# Altium PCB Layout.PcbDoc
Units mm, origin at the board's own origin, x right, y up, seen from the top; angles counter-clockwise.
Board outline 70.26 x 75.25 mm, 2 copper layers (Top Layer, Bottom Layer); 101 components, 71 nets, 293 pads, 98 vias.
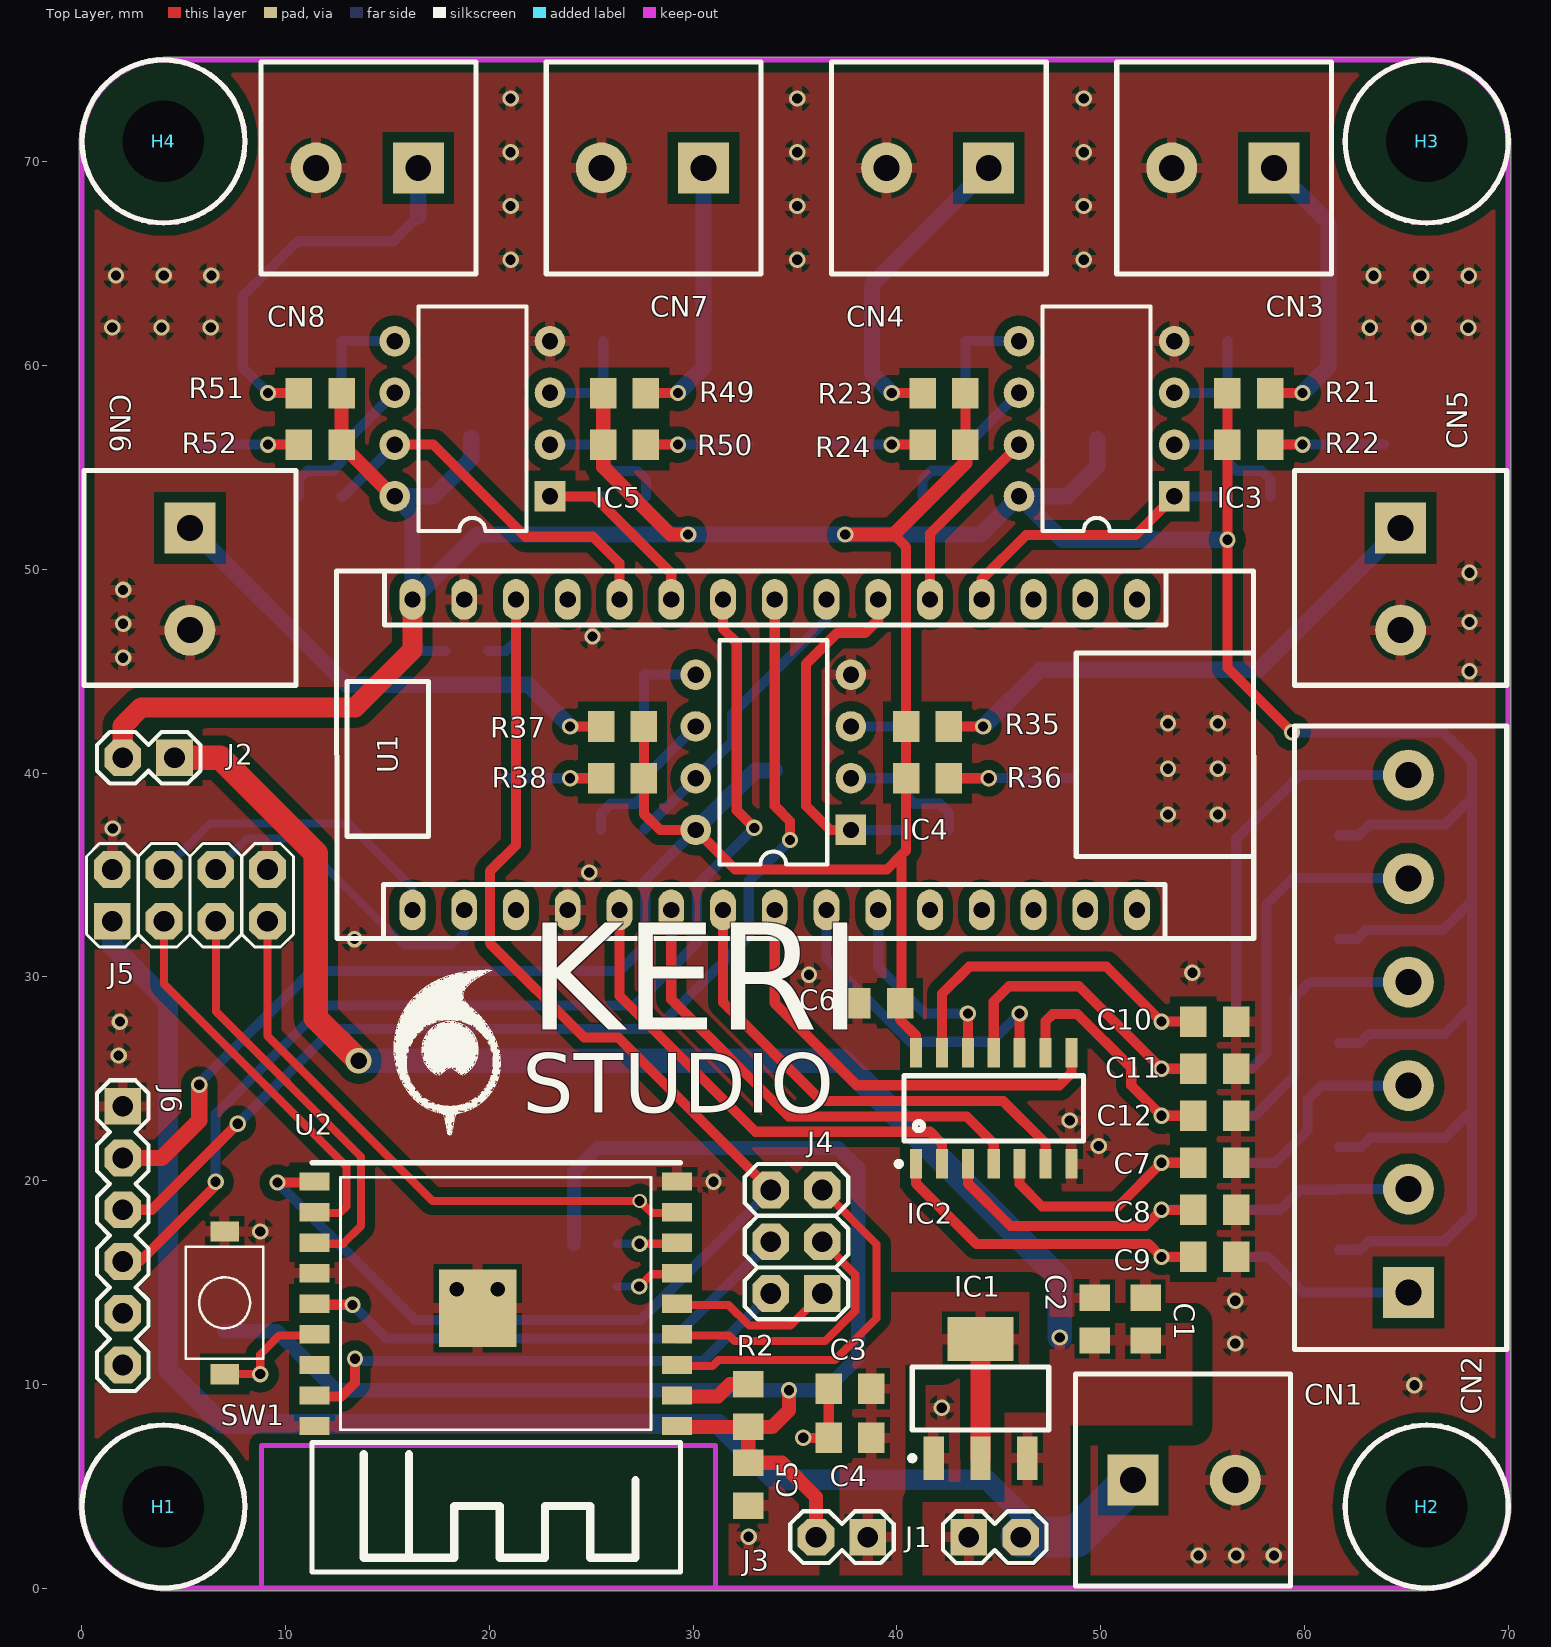
[diagram p0: Top Layer view]
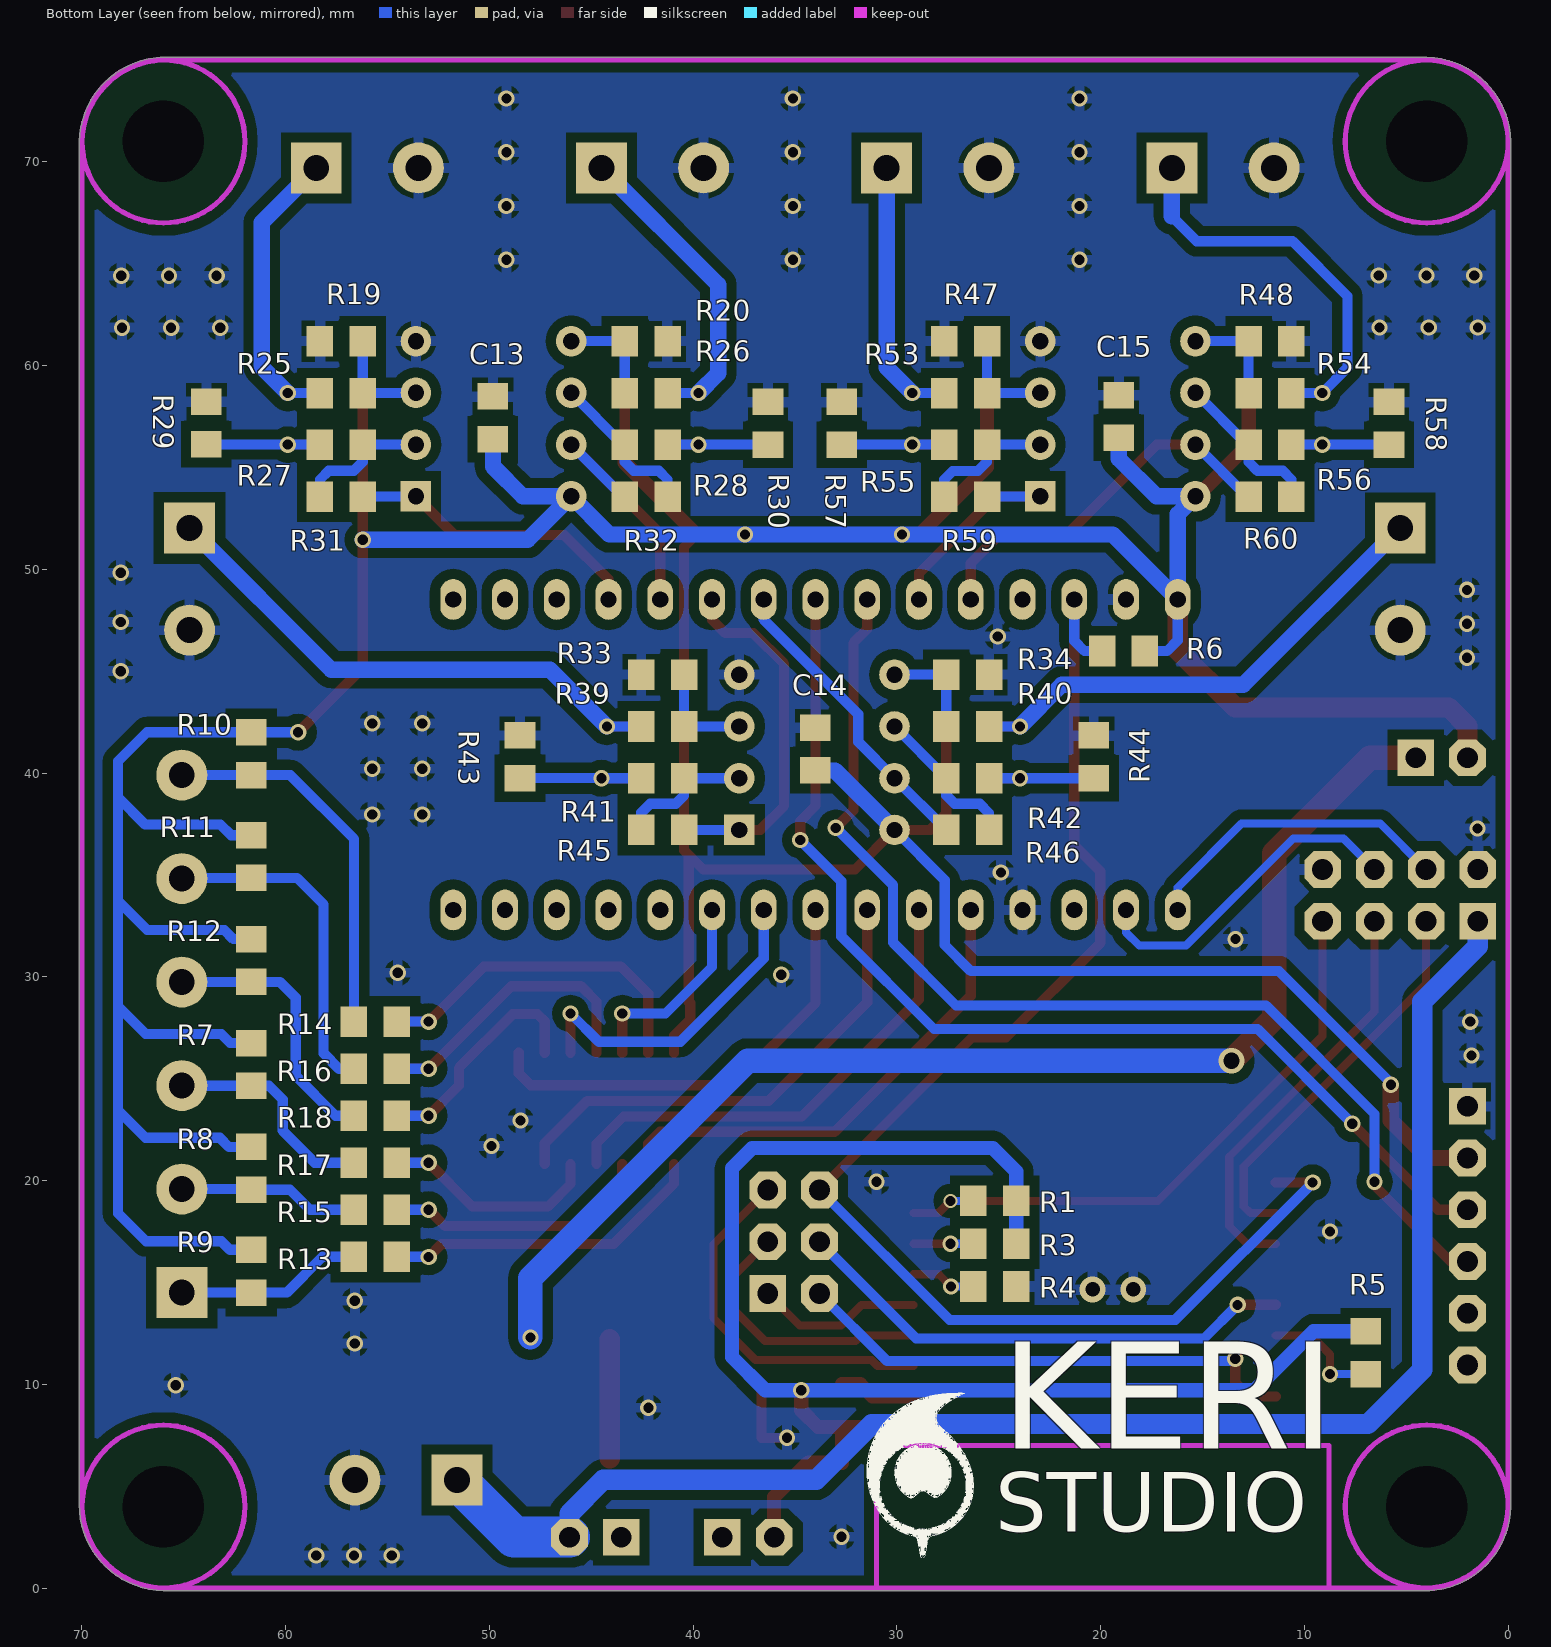
[diagram p1: Bottom Layer view, seen from below]

## Layer stack, top to bottom
Top Solder: solder mask 0.0102, Solder Resist, Dk 3.5
Top Layer: signal copper 0.0356
Dielectric 1: dielectric 0.32, FR-4, Dk 4.8
Bottom Layer: signal copper 0.0356
Bottom Solder: solder mask 0.0102, Solder Resist, Dk 3.5

## Board outline
-0.127,3.997 cw(c0,4) -0.127,4 -0.127,70.799 cw(c4.1,70.9) -0.127,71.001 cw(c4.1,70.9) -0.127,71.005 cw(c4.1,70.9) 3.996,75.127 cw(c4,75) 4,75.127 65.798,75.127 cw(c65.9,70.9) 70.127,71.003 cw(c70,71) 70.127,71 cw(c70,71) 70.127,70.998 70.127,4.202 cw(c65.9,4.1) 70.129,4.1 cw(c65.9,4.1) 66.004,-0.127 cw(c65.9,4.1) 66.003,-0.127 66.004,-0.127 cw(c66,0) 66,-0.127 4.201,-0.127 ccw(c4.1,4.1) 4.203,-0.127 4.201,-0.127 cw(c4.1,4.1)
cut-out: 10.4,0

## Design rules (kind name [scope] priority, off if disabled: settings)
Clearance [All] p1: gap=0.254 ignorepadtopadclearanceinfootprint=FALSE except(0: Arc-Hole Track-Hole SMDPad-Hole THPad-Hole Via-Hole Fill-Hole Poly-Hole Region-Hole Text-Hole; 0.5: Arc-Poly Track-Poly SMDPad-Poly THPad-Poly Via-Poly Fill-Poly Poly-Region Poly-Text; 1: Poly-Poly)
HoleSize [All] p1: absolutevalues=TRUE maxlimit=4 minlimit=0.025 maxpercent=80.000 minpercent=20.000
PolygonConnect [All] p1: connectstyle=Relief reliefconductorwidth=0.508 reliefentries=4 polygonreliefangle="90 Angle" airgapwidth=0.254
RoutingVias [All] p1: holewidth=0.4 width=0.7 viastyle="Through Hole" minholewidth=0.3 minwidth=0.5 maxholewidth=0.8 maxwidth=1.27
SolderMaskExpansion [All] p1: expansion=0.102
Width [All] p1: maxlimit=2 minlimit=0.254 preferedwidth=0.5
29 further rules are at their usual default settings.

## Classes and differential pairs
component class U_4: C13 C14 C15 CN3 CN4 CN5 CN6 CN7 CN8 IC3 IC4 IC5 R19 R20 R21 R22 R23 R24 R25 R26 R27 R28 R29 R30 R31 R32 R33 R34 R35 R36 R37 R38 R39 R40 R41 R42 R43 R44 R45 R46 R47 R48 R49 R50 R51 R52 R53 R54 R55 R56 R57 R58 R59 R60
component class U_3: C6 C7 C8 C9 C10 C11 C12 CN2 IC2 R7 R8 R9 R10 R11 R12 R13 R14 R15 R16 R17 R18
component class U_2: C5 J4 J5 J6 JM3 JM4 R1 R2 R3 R4 R5 R6 SW1 U1 U2
component class U_1: C1 C2 C3 C4 CN1 IC1 J1 J2 J3 JM1 JM2
component class Main_sch: H1 H2 H3 H4

## Components (designator, comment, footprint, x,y, rotation, side; value= is the part's Value field where it differs from the comment)
C1 "100nF" C0805 52.2,13.2 r90 top
C2 "1uF" C0805 49.7,13.2 r90 top
C3 "100nF" C0805 37.7,9.781 r180 top
C4 "1uF" C0805 37.7,7.372 r180 top
C5 "100nF" C0805 32.7,5.1 r90 top
C6 "100nF" C0805 39.1,28.7 r180 top
C7 "100nF" C0805 55.6,20.87 r0 top
C8 "100nF" C0805 55.6,18.56 r0 top
C9 "100nF" C0805 55.6,16.25 r0 top
C10 "100nF" C0805 55.6,27.8 r0 top
C11 "100nF" C0805 55.603,25.49 r0 top
C12 "100nF" C0805 55.6,23.18 r0 top
C13 "100nF" C0805 49.83,57.44 r90 bottom
C14 "100nF" C0805 34,41.18 r90 bottom
C15 "100nF" C0805 19.11,57.5 r90 bottom
CN1 "PWR IN" Terminal_5.08mm_1X02 54.1,5.3 r0 top
CN2 "1-796911-6" Terminal_5.08mm_1X06 65.1,27.2 r90 top
CN3 "796682-2" Terminal_5.08mm_1X02 55.993,69.7 r180 top
CN4 "796682-2" Terminal_5.08mm_1X02 41.995,69.7 r180 top
CN5 "796682-2" Terminal_5.08mm_1X02 64.719,49.52 r270 top
CN6 "796682-2" Terminal_5.08mm_1X02 5.3,49.52 r270 top
CN7 "796682-2" Terminal_5.08mm_1X02 27.998,69.7 r180 top
CN8 "796682-2" Terminal_5.08mm_1X02 14,69.7 r180 top
H1 "Hole" Hole_4mm 4,4 r0 top
H2 "Hole" Hole_4mm 66,4 r0 top
H3 "Hole" Hole_4mm 66,71 r0 top
H4 "Hole" Hole_4mm 4,71 r0 top
IC1 "LM1117-3V3" SOT223 44.1,9.3 r0 top
IC2 "74HC14D" SOIC-14 44.75,23.545 r90 top
IC3 "LM358" DIP-08 49.8,57.39 r180 top
IC4 "LM358" DIP-08 33.93,41.02 r180 top
IC5 "LM358" DIP-08 19.16,57.39 r180 top
J1 "NANO_VCC" Header_2.54mm_1X02 44.8,2.5 r0 top
J2 "NANO_VCC" Header_2.54mm_1X02 3.27,40.75 r180 top
J3 "ESP_VCC" Header_2.54mm_1X02 37.3,2.5 r180 top
J4 "2X03" Header_2.54mm_2X03 36.34,14.46 r90 top
J5 "2X04" Header_2.54mm_2X04 5.3,34 r0 top
J6 "1X06" Header_2.54mm_1X06 2,17.3 r270 top
R1 "10K" R0805 25.2,19 r0 bottom
R2 "10K" R0805 32.7,8.958 r270 top
R3 "10K" R0805 25.2,16.9 r180 bottom
R4 "10K" R0805 25.2,14.8 r180 bottom
R5 "10K" R0805 7,11.55 r90 bottom
R6 "10K" R0805 18.88,45.99 r0 bottom
R7 "10K" R0805 61.7,25.7 r90 bottom
R8 "10K" R0805 61.7,20.6 r90 bottom
R9 "10K" R0805 61.7,15.55 r90 bottom
R10 "10K" R0805 61.7,40.95 r90 bottom
R11 "10K" R0805 61.7,35.9 r90 bottom
R12 "10K" R0805 61.7,30.8 r90 bottom
R13 "10K" R0805 55.6,16.259 r180 bottom
R14 "10K" R0805 55.6,27.8 r0 bottom
R15 "10K" R0805 55.6,18.567 r180 bottom
R16 "10K" R0805 55.6,25.492 r0 bottom
R17 "10K" R0805 55.6,20.875 r180 bottom
R18 "10K" R0805 55.6,23.183 r0 bottom
R19 "100K" R0805 57.27,61.2 r0 bottom
R20 "100K" R0805 42.31,61.2 r180 bottom
R21 "1K" R0805 57.27,58.65 r180 top
R22 "1K" R0805 57.27,56.12 r180 top
R23 "1K" R0805 42.31,58.65 r0 top
R24 "1K" R0805 42.31,56.12 r0 top
R25 "10K" R0805 57.27,58.65 r180 bottom
R26 "10K" R0805 42.31,58.65 r0 bottom
R27 "10K" R0805 57.27,56.12 r180 bottom
R28 "10K" R0805 42.31,56.12 r0 bottom
R29 "100R" R0805 63.89,57.18 r270 bottom
R30 "100R" R0805 36.33,57.17 r270 bottom
R31 "100K" R0805 57.27,53.57 r0 bottom
R32 "100K" R0805 42.31,53.57 r180 bottom
R33 "100K" R0805 41.5,44.83 r0 bottom
R34 "100K" R0805 26.53,44.83 r180 bottom
R35 "1K" R0805 41.5,42.284 r180 top
R36 "1K" R0805 41.5,39.75 r180 top
R37 "1K" R0805 26.53,42.284 r0 top
R38 "1K" R0805 26.53,39.747 r0 top
R39 "10K" R0805 41.5,42.284 r180 bottom
R40 "10K" R0805 26.53,42.284 r0 bottom
R41 "10K" R0805 41.5,39.747 r180 bottom
R42 "10K" R0805 26.53,39.747 r0 bottom
R43 "100R" R0805 48.5,40.802 r270 bottom
R44 "100R" R0805 20.34,40.8 r270 bottom
R45 "100K" R0805 41.5,37.21 r0 bottom
R46 "100K" R0805 26.53,37.21 r180 bottom
R47 "100K" R0805 26.63,61.2 r0 bottom
R48 "100K" R0805 11.69,61.2 r180 bottom
R49 "1K" R0805 26.63,58.65 r180 top
R50 "1K" R0805 26.63,56.12 r180 top
R51 "1K" R0805 11.69,58.65 r0 top
R52 "1K" R0805 11.69,56.12 r0 top
R53 "10K" R0805 26.63,58.65 r180 bottom
R54 "10K" R0805 11.69,58.65 r0 bottom
R55 "10K" R0805 26.63,56.12 r180 bottom
R56 "10K" R0805 11.69,56.12 r0 bottom
R57 "100R" R0805 32.7,57.17 r270 bottom
R58 "100R" R0805 5.85,57.17 r270 bottom
R59 "100K" R0805 26.63,53.57 r0 bottom
R60 "100K" R0805 11.69,53.57 r180 bottom
SW1 "Button Switch" KSR231GLFS 7,14 r270 top
U1 "Arduino-nano" ARDUINO_NANO 34,40.9 r270 top locked
U2 "ESP-WROOM-02" ESP-WROOM-02 20.307,12.851 r180 top

## Footprints (in the part's own frame and the unit in brackets; to place one, negate y for a bottom-side part, rotate by r counter-clockwise, add the part's x,y. Pads: shape width x height; smd on the part's side, far side on the other; paste and mask are expansions set on the pad)
ARDUINO_NANO [mm]
  oval 2x1.27 hole 0.8: 3.3V(-7.62,15.24) 5V(-7.62,-10.16) A0(-7.62,10.16) A1(-7.62,7.62) A2(-7.62,5.08) A3(-7.62,2.54) A4(-7.62,0) A5(-7.62,-2.54) A6(-7.62,-5.08) A7(-7.62,-7.62) AREF(-7.62,12.7) D2(7.62,-7.62) D3(7.62,-5.08) D4(7.62,-2.54) D5(7.62,0) D6(7.62,2.54) D7(7.62,5.08) D8(7.62,7.62) D9(7.62,10.16) D10(7.62,12.7) D11(7.62,15.24) D12(7.62,17.78) D13(-7.62,17.78) GND(-7.62,-15.24) GND1(7.62,-10.16) RAW(-7.62,-17.78) RST(-7.62,-12.7) RST1(7.62,-12.7) RX1(7.62,-15.24) TX0(7.62,-17.78)
  silkscreen extent -9.01,-21.5 9.02,23.51, body extent -8.87,-19.15 8.87,19.2, height 8.5
C0805 [mm]
  rect 1.3x1.5 smd: 1(-1.05,0) 2(1.05,0)
  body extent -1,-0.6 1,0.6, height 0.45
DIP-08 [mm] "DIP; 8 Leads; Row Spacing 7.62 mm; Pitch 2.54 mm"
  rect 1.5x1.5 hole 0.8: 1(-3.81,3.81)
  round 1.5 hole 0.8: 2(-3.81,1.27) 3(-3.81,-1.27) 4(-3.81,-3.81) 5(3.81,-3.81) 6(3.81,-1.27) 7(3.81,1.27) 8(3.81,3.81)
  silkscreen extent -2.65,-5.5 2.65,5.5, body extent -4.95,-5.59 4.95,5.84, height 8
ESP-WROOM-02 [mil]
  rect 58.46x35.43 smd paste+0: 1(-350.1,192.91) 2(-350.1,133.86) 3(-350.1,74.8) 4(-350.1,15.75) 5(-350.1,-43.31) 6(-350.1,-102.36) 7(-350.1,-161.42) 8(-350.1,-220.47) 9(-350.1,-279.53) 10(350.1,-279.53) 11(350.1,-220.47) 12(350.1,-161.42) 13(350.1,-102.36) 14(350.1,-43.31) 15(350.1,15.75) 16(350.1,74.8) 17(350.1,133.86) 18(350.1,192.91)
  rect 150x150 smd: 19(35,-35)
  silkscreen extent -357,-316 355,475, body extent -355,-315 353,473, height 118
Header_2.54mm_1X02 [mm]
  rect 1.8x1.8 hole 1.016: 1(-1.27,0)
  oct 1.8x1.8 hole 1.016: 2(1.27,0)
  silkscreen extent -2.54,-1.27 2.54,1.27, body extent -2.54,-1.27 2.54,1.27, height 8.6
Header_2.54mm_1X06 [mm]
  rect 1.8x1.8 hole 1.016: 1(-6.35,0)
  oct 1.8x1.8 hole 1.016: 2(-3.81,0) 3(-1.27,0) 4(1.27,0) 5(3.81,0) 6(6.35,0)
  silkscreen extent -7.62,-1.27 7.62,1.27, body extent -7.62,-1.27 7.62,1.27, height 8.6
Header_2.54mm_2X03 [mm]
  rrect0% 1.8x1.8 hole 1.016: 1(0,0)
  oct 1.8x1.8 hole 1.016: 2(0,2.54) 3(2.54,0) 4(2.54,2.54) 5(5.08,0) 6(5.08,2.54)
  silkscreen extent -1.27,-1.27 6.35,3.81, body extent -1.21,-1.27 6.41,3.81, height 8.5
Header_2.54mm_2X04 [mm]
  rrect0% 1.8x1.8 hole 1.016: 1(-3.81,-1.27)
  oct 1.8x1.8 hole 1.016: 2(-3.81,1.27) 3(-1.27,-1.27) 4(-1.27,1.27) 5(1.27,-1.27) 6(1.27,1.27) 7(3.81,-1.27) 8(3.81,1.27)
  silkscreen extent -5.08,-2.54 5.08,2.54, body extent -5.08,-2.54 5.08,2.54, height 8.5
Hole_4mm [mil]
  round 60 hole 157.48 unplated: 1(0,0)
  Top Layer keep-out circle w10: c0,0 r157.48
  Bottom Layer keep-out circle w10: c0,0 r157.48
  silkscreen extent -157,-157 157,157, body extent -157,-159 157,159, height 122
KSR231GLFS [mm]
  rect 1x1.4 smd: 1(-3.5,0) 2(3.5,0)
  silkscreen extent -2.75,-1.9 2.75,1.9, body extent -3.63,-1.95 3.67,1.95, height 2.5
R0805 [mm] "Chip Resistor, 2-Leads, Body 2.00x1.20mm, IPC Medium Density"
  rect 1.3x1.5 smd: 1(-1.05,0) 2(1.05,0)
  body extent -1,-0.6 1,0.6, height 0.45
SOIC-14 [mm] "SOIC, 14-Leads, Body 8.65x3.90mm, Pitch 1.27mm, IPC Medium Density"
  rect 1.45x0.6 smd: 1(-2.725,3.81) 2(-2.725,2.54) 3(-2.725,1.27) 4(-2.725,0) 5(-2.725,-1.27) 6(-2.725,-2.54) 7(-2.725,-3.81) 8(2.725,-3.81) 9(2.725,-2.54) 10(2.725,-1.27) 11(2.725,0) 12(2.725,1.27) 13(2.725,2.54) 14(2.725,3.81)
  silkscreen extent -2.85,-4.4 1.6,4.78, body extent -3,-4.4 3,4.4, height 1.75
SOT223 [mm] "SOT223, 4-Leads, Body 6.50x7.00mm (avg), Pitch 2.30mm, IPC Medium Density"
  rect 1x2.15 smd: 1(-2.3,-2.925) 2(0,-2.925) 3(2.3,-2.925)
  rect 3.25x2.15 smd: 4(0,2.925)
  silkscreen extent -3.47,-3.05 3.35,1.55, body extent -3.35,-3.5 3.35,3.5, height 1.8
Terminal_5.08mm_1X02 [mm]
  rect 2.5x2.5 hole 1.27: 1(-2.507,0)
  round 2.5 hole 1.27: 2(2.507,0)
  silkscreen extent -5.33,-5.21 5.21,5.21, body extent -5.25,-5.13 5.05,5.07, height 14.3
Terminal_5.08mm_1X06 [mm]
  rect 2.5x2.5 hole 1.27: 1(-12.7,0)
  round 2.5 hole 1.27: 2(-7.62,0) 3(-2.54,0) 4(2.54,0) 5(7.62,0) 6(12.7,0)
  silkscreen extent -15.49,-4.83 15.11,5.59, body extent -15.47,-4.77 15.13,5.53, height 14.2

## Part data
C1 C3 C5 C6 C7 C8 C9 C10 C11 C12 C13 C14 C15: library part C_0805_0.1uF, "Multilayer Ceramic Capacitors MLCC - SMD/SMT 0805 0.1uF 50volts X7R 20%", Manufacturer=Murata, Manufacturer Part Number=GCJ21BR71H104MA01L, Supplier Part Number 1=81-GCJ21BR71H104MA1L, Stock 1=0, Supplier 1=Mouser
C2 C4: library part C_0805_1uF, "Multilayer Ceramic Capacitors MLCC - SMD/SMT 0805 1uF 50volts X7R 20%", Manufacturer=Murata, Manufacturer Part Number=GCJ21BR71H105MA01L, Supplier Part Number 1=81-GCJ21BR71H105MA1L, Pricing 1="1=0.33, 10=0.231, 50=0.231, 100=0.139, 1000=0.088, 10000=0.074 (USD)", Stock 1=0, Supplier 1=Mouser
CN1: library part Terminal_5.08mm_1X02, "Fixed Terminal Blocks TERMI-BLOK PCB", Colour=Black, Current=17.5A, Flammability Rating="UL94 V-0", Manufacturer="TE Connectivity", Manufacturer Part Number=796682-2, Max Operating Temperature=105°C, Max Supply Voltage (AC)=300V, Min Operating Temperature=-40°C, Package Quantity=300, Supplier Part Number 1=571-796682-2, Closed End="No (Without)", ComponentLink1Description=http://components.arrow.com/part/dataview/0323_03914338, ComponentLink1URL=http://components.arrow.com/part/dataview/0323_03914338, ComponentLink2Description=http://www.onlinecomponents.com/productFiles/mf-AMP/eng_cs_1308389_eurostyle_terminal_blocks_0607.pdf, ComponentLink2URL=http://www.onlinecomponents.com/productFiles/mf-AMP/eng_cs_1308389_eurostyle_terminal_blocks_0607.pdf, ComponentLink3Description=http://www.jameco.com/Jameco/Products/ProdDS/759341.pdf, ComponentLink3URL=http://www.jameco.com/Jameco/Products/ProdDS/759341.pdf, ComponentLink4Description=http://www.te.com/commerce/DocumentDelivery/DDEController?Action=showdoc&DocId=Catalog+Section%7F1308389_EUROSTYLE_TERMINAL_BLOCKS%7F0607%7Fpdf%7FEnglish%7FENG_CS_1308389_EUROSTYLE_TERMINAL_BLOCKS_0607.pdf, ComponentLink4URL=http://www.te.com/commerce/DocumentDelivery/DDEController?Action=showdoc&DocId=Catalog+Section%7F1308389_EUROSTYLE_TERMINAL_BLOCKS%7F0607%7Fpdf%7FEnglish%7FENG_CS_1308389_EUROSTYLE_TERMINAL_BLOCKS_0607.pdf, ComponentLink5Description=http://components.arrow.com/part/dataview/3050970S8348740N5665, ComponentLink5URL=http://components.arrow.com/part/dataview/3050970S8348740N5665, ComponentLink6Description=http://www.te.com/catalog/pn/en/796682-2?RQPN=796682-2, ComponentLink6URL=http://www.te.com/catalog/pn/en/796682-2?RQPN=796682-2, ComponentLink7Description=http://www.te.com/commerce/DocumentDelivery/DDEController?Action=srchrtrv&DocNm=796682&DocType=Customer+Drawing&DocLang=English, ComponentLink7URL=http://www.te.com/commerce/DocumentDelivery/DDEController?Action=srchrtrv&DocNm=796682&DocType=Customer+Drawing&DocLang=English, Connector Type=Receptacle, Contact Material=Brass, Contact Plating=Tin, Current Rating=17.5A, Depth=9mm, ELV=Compliant, Height=15.5mm, Housing Colour=Black, Housing Material=Polyamide, Interlock="Yes (With)", Lead Free="Lead Free", Length=10.5mm, Max Current Rating=17.5A, Max Voltage Rating (AC)=300V, Mount="Through Hole", Number of Circuits=2, Number of Contacts=2, Number of Levels=1, Number of Positions=2, Number of Positions Per Level=2, Number of Rows=1, Orientation=Straight, Packaging=Bulk, Pitch=5mm, Plating=Brass,Nickel, Pricing 1="1=1.06, 10=0.737, 50=0.623, 100=0.62, 1000=0.441, 10000=0.367 (USD)", Radiation Hardening=No, Screw Flange="No (Without)", Screwless Terminal Block="No (Without)", Side Stackable="No (Without)", Stock 1=1299, Supplier 1=Mouser, Tail Length=3.5mm, Termination=Solder, Thread Size=M3, Voltage=300V, Voltage Rating=300V, Width=9mm, Wire Gauge (Max)=30AWG, Wire Gauge (Min)=30AWG
CN2: library part Terminal_5.08mm_1X06, "Conn Terminal Block 16 POS 5mm Solder ST Thru-Hole", Colour=Green, Current=17.5A, Flammability Rating="UL94 V-0", Manufacturer="TE Connectivity", Package Quantity=75, Supplier Part Number 1=571-1-796911-6, Voltage=300V, Closed End="Yes (With)", ComponentLink1Description=https://datasheet.ciiva.com/824/eng-cd-796911-b2-824816.pdf, ComponentLink1URL=https://datasheet.ciiva.com/824/eng-cd-796911-b2-824816.pdf, Connector Type=Receptacle, Contact Material=Brass, Contact Plating=Tin, Depth=9mm, ELV=Compliant, Housing Colour=Green, Housing Material=Polyamide, Interlock="Yes (With)", Manufacturer Part Number=1-796911-6, Mount="Through Hole", Number of Levels=1, Number of Positions=16, Number of Positions Per Level=16, Number of Rows=1, Orientation=Straight, Packaging=Bulk, Pitch=5.08mm, Plating=Brass, Screw Flange="No (Without)", Screwless Terminal Block="No (Without)", Side Stackable="Yes (With)", Stock 1=0, Supplier 1=Mouser, Tail Length=3.5mm, Termination=Screw, Thread Size=M3, Wire Gauge (Max)=30AWG, Wire Gauge (Min)=12AWG
CN3 CN4 CN5 CN6 CN7 CN8: library part Terminal_5.08mm_1X02, "Fixed Terminal Blocks TERMI-BLOK PCB", Colour=Black, Current=17.5A, Flammability Rating="UL94 V-0", Manufacturer="TE Connectivity", Max Operating Temperature=105°C, Max Supply Voltage (AC)=300V, Min Operating Temperature=-40°C, Package Quantity=300, Supplier Part Number 1=571-796682-2, Closed End="No (Without)", ComponentLink1Description=http://components.arrow.com/part/dataview/0323_03914338, ComponentLink1URL=http://components.arrow.com/part/dataview/0323_03914338, ComponentLink2Description=http://www.onlinecomponents.com/productFiles/mf-AMP/eng_cs_1308389_eurostyle_terminal_blocks_0607.pdf, ComponentLink2URL=http://www.onlinecomponents.com/productFiles/mf-AMP/eng_cs_1308389_eurostyle_terminal_blocks_0607.pdf, ComponentLink3Description=http://www.jameco.com/Jameco/Products/ProdDS/759341.pdf, ComponentLink3URL=http://www.jameco.com/Jameco/Products/ProdDS/759341.pdf, ComponentLink4Description=http://www.te.com/commerce/DocumentDelivery/DDEController?Action=showdoc&DocId=Catalog+Section%7F1308389_EUROSTYLE_TERMINAL_BLOCKS%7F0607%7Fpdf%7FEnglish%7FENG_CS_1308389_EUROSTYLE_TERMINAL_BLOCKS_0607.pdf, ComponentLink4URL=http://www.te.com/commerce/DocumentDelivery/DDEController?Action=showdoc&DocId=Catalog+Section%7F1308389_EUROSTYLE_TERMINAL_BLOCKS%7F0607%7Fpdf%7FEnglish%7FENG_CS_1308389_EUROSTYLE_TERMINAL_BLOCKS_0607.pdf, ComponentLink5Description=http://components.arrow.com/part/dataview/3050970S8348740N5665, ComponentLink5URL=http://components.arrow.com/part/dataview/3050970S8348740N5665, ComponentLink6Description=http://www.te.com/catalog/pn/en/796682-2?RQPN=796682-2, ComponentLink6URL=http://www.te.com/catalog/pn/en/796682-2?RQPN=796682-2, ComponentLink7Description=http://www.te.com/commerce/DocumentDelivery/DDEController?Action=srchrtrv&DocNm=796682&DocType=Customer+Drawing&DocLang=English, ComponentLink7URL=http://www.te.com/commerce/DocumentDelivery/DDEController?Action=srchrtrv&DocNm=796682&DocType=Customer+Drawing&DocLang=English, Connector Type=Receptacle, Contact Material=Brass, Contact Plating=Tin, Current Rating=17.5A, Depth=9mm, ELV=Compliant, Height=15.5mm, Housing Colour=Black, Housing Material=Polyamide, Interlock="Yes (With)", Lead Free="Lead Free", Length=10.5mm, Manufacturer Part Number=796682-2, Max Current Rating=17.5A, Max Voltage Rating (AC)=300V, Mount="Through Hole", Number of Circuits=2, Number of Contacts=2, Number of Levels=1, Number of Positions=2, Number of Positions Per Level=2, Number of Rows=1, Orientation=Straight, Packaging=Bulk, Pitch=5mm, Plating=Brass,Nickel, Pricing 1="1=1.06, 10=0.737, 50=0.623, 100=0.62, 1000=0.441, 10000=0.367 (USD)", Radiation Hardening=No, Screw Flange="No (Without)", Screwless Terminal Block="No (Without)", Side Stackable="No (Without)", Stock 1=1299, Supplier 1=Mouser, Tail Length=3.5mm, Termination=Solder, Thread Size=M3, Voltage=300V, Voltage Rating=300V, Width=9mm, Wire Gauge (Max)=30AWG, Wire Gauge (Min)=30AWG
H1 H2 H3 H4: "Corner Hole with 4mm Drill"
IC1: library part VREG_LM1117_3V3, "IC, LINEAR VOLTAGE REGULATOR", Case/Package=SOT-223, Current Rating=800mA, Dropout Voltage=1.2V, Manufacturer="TI National Semiconductor", Manufacturer Part Number=LM1117MPX-3.3, Max Input Voltage=15V, Max Operating Temperature=125°C, Max Output Voltage=3.3V, Min Operating Temperature=-40°C, Min Supply Voltage=4.75V, Output Voltage Accuracy=1%, Quiescent Current=10mA, Supplier Part Number 1=926-LM1117MPX-33, Accuracy=1%, ComponentLink1Description=https://datasheet.ciiva.com/8042/1882372-8042277.pdf, ComponentLink1URL=https://datasheet.ciiva.com/8042/1882372-8042277.pdf, ComponentLink2Description=https://datasheet.ciiva.com/1570/1831038-1570214.pdf, ComponentLink2URL=https://datasheet.ciiva.com/1570/1831038-1570214.pdf, ComponentLink3Description=https://datasheet.ciiva.com/1570/1772317-1570215.pdf, ComponentLink3URL=https://datasheet.ciiva.com/1570/1772317-1570215.pdf, Lead Free="Contains Lead", Max Output Current=800mA, Max Supply Voltage=15V, Min Current Limit=800mA, Mount="Surface Mount", Number of Outputs=1, Number of Pins=4, Number of Regulators=1, Output Current=800mA, Output Voltage=3.3V, Packaging="Tape and Reel", Polarity=Positive, Pricing 1="1=1.54, 10=1.32, 50=1.32, 100=1.01, 1000=0.702, 10000=0.6 (USD)", REACH SVHC="No SVHC", Stock 1=1423, Supplier 1=Mouser, Termination=SMD/SMT
IC2: "IC, HEX INVERTER, SCHMITT TRIGGER SOIC14", Case/Package=SO, High Level Output Current=-5.2mA, Low Level Output Current=5.2mA, Manufacturer="NXP Semiconductors", Manufacturer Part Number=74HC14D,653, Max Operating Temperature=125°C, Max Supply Voltage=6V, Min Operating Temperature=-40°C, Min Supply Voltage=2V, Operating Supply Voltage=5V, Output Current=25mA, Package Quantity=2500, Quiescent Current=2uA, Supplier Part Number 1=771-74HC14D-T, ComponentLink1Description=https://datasheet.ciiva.com/1163/74hc-hct14-1163056.pdf, ComponentLink1URL=https://datasheet.ciiva.com/1163/74hc-hct14-1163056.pdf, ComponentLink2Description=https://datasheet.ciiva.com/33721/1678760-33721745.pdf, ComponentLink2URL=https://datasheet.ciiva.com/33721/1678760-33721745.pdf, ComponentLink3Description=https://datasheet.ciiva.com/15089/getdatasheetpartid-131068-15089257.pdf, ComponentLink3URL=https://datasheet.ciiva.com/15089/getdatasheetpartid-131068-15089257.pdf, ComponentLink4Description=https://datasheet.ciiva.com/1507/1678760-1507872.pdf, ComponentLink4URL=https://datasheet.ciiva.com/1507/1678760-1507872.pdf, ComponentLink5Description=https://datasheet.ciiva.com/1862/74hc-hct14-1862913.pdf, ComponentLink5URL=https://datasheet.ciiva.com/1862/74hc-hct14-1862913.pdf, ComponentLink6Description=https://datasheet.ciiva.com/1862/74hc-hct14-1862914.pdf, ComponentLink6URL=https://datasheet.ciiva.com/1862/74hc-hct14-1862914.pdf, ComponentLink7Description=https://datasheet.ciiva.com/1862/74hc-hct14-1862915.pdf, ComponentLink7URL=https://datasheet.ciiva.com/1862/74hc-hct14-1862915.pdf, ComponentLink8Description=https://datasheet.ciiva.com/22666/1678760-22666374.pdf, ComponentLink8URL=https://datasheet.ciiva.com/22666/1678760-22666374.pdf, ComponentLink9Description=https://datasheet.ciiva.com/4827/74hc-hct14-4827705.pdf, ComponentLink9URL=https://datasheet.ciiva.com/4827/74hc-hct14-4827705.pdf, ComponentLink10Description=https://datasheet.ciiva.com/36858/1678760-36858062.pdf, ComponentLink10URL=https://datasheet.ciiva.com/36858/1678760-36858062.pdf, Contact Plating=Gold, Height=0.25inch, Lead Free="Lead Free", Length=1inch, Logic Function="Schmitt Trigger,Buffer,Inverter", Max Supply Voltage (DC)=6V, Max Voltage Rating (DC)=6V, Min Supply Voltage (DC)=2V, Mount="Surface Mount", Number of Circuits=6, Number of Elements=6, Number of Inputs=1, Number of Pins=14, Packaging="Tape and Reel", Propagation Delay=190ns, Radiation Hardening=No, REACH SVHC="No SVHC", Stock 1=0, Supplier 1=Mouser, Turn-On Delay Time=21ns, Weight=0.009143oz, Width=0.5inch
IC3 IC4 IC5: "IC OPAMP GP 700KHZ 8SOIC", Case/Package=SOIC, Dual Supply Voltage=9V, Input Bias Current=100nA, Input Offset Voltage (Vos)=3mV, Manufacturer="Texas Instruments", Manufacturer Part Number=LM358ADR, Max Dual Supply Voltage=16V, Max Operating Temperature=70°C, Max Supply Voltage=32V, Min Dual Supply Voltage=1.5V, Min Operating Temperature=0°C, Min Supply Voltage=3V, Nominal Supply Current=1.2mA, Operating Supply Current=1mA, Output Current=30mA, Package Quantity=2500, Supplier Part Number 1=595-LM358ADR, Voltage Gain=100dB, Bandwidth=700kHz, Common Mode Rejection Ratio=65dB, ComponentLink1Description=https://datasheet.ciiva.com/1796/lm358-1796562.pdf, ComponentLink1URL=https://datasheet.ciiva.com/1796/lm358-1796562.pdf, ComponentLink2Description=https://datasheet.ciiva.com/1796/lm358-1796563.pdf, ComponentLink2URL=https://datasheet.ciiva.com/1796/lm358-1796563.pdf, ComponentLink3Description=https://datasheet.ciiva.com/1796/lm358-1796564.pdf, ComponentLink3URL=https://datasheet.ciiva.com/1796/lm358-1796564.pdf, ComponentLink4Description=https://datasheet.ciiva.com/2973/lm358a-2973371.pdf, ComponentLink4URL=https://datasheet.ciiva.com/2973/lm358a-2973371.pdf, Gain Bandwidth Product=700kHz, Height=1.58mm, Lead Free="Lead Free", Length=4.9mm, Mount="Surface Mount", Number of Amplifiers=2, Number of Channels=2, Number of Circuits=2, Number of Elements=2, Number of Pins=8, Operating Supply Voltage=16V, Output Current per Channel=30mA, Packaging="Tape and Reel", Pricing 1="1=0.36, 10=0.271, 50=0.271, 100=0.147, 1000=0.11, 10000=0.089 (USD)", Radiation Hardening=No, REACH SVHC="No SVHC", Slew Rate=0.3V/µs, Stock 1=276952, Supplier 1=Mouser, Unity Gain Bandwidth Product=700kHz, Width=3.91mm